# Altium PCB ie-track-kit-pwr-1.PcbDoc (part 2 of 2)
Units mm, origin at the board's own origin, x right, y up, seen from the top; angles counter-clockwise.
Board outline 60.2 x 170.1 mm, 2 copper layers (Top Layer, Bottom Layer), stack 1.571 mm thick; 140 components, 79 nets, 395 pads, 262 vias.
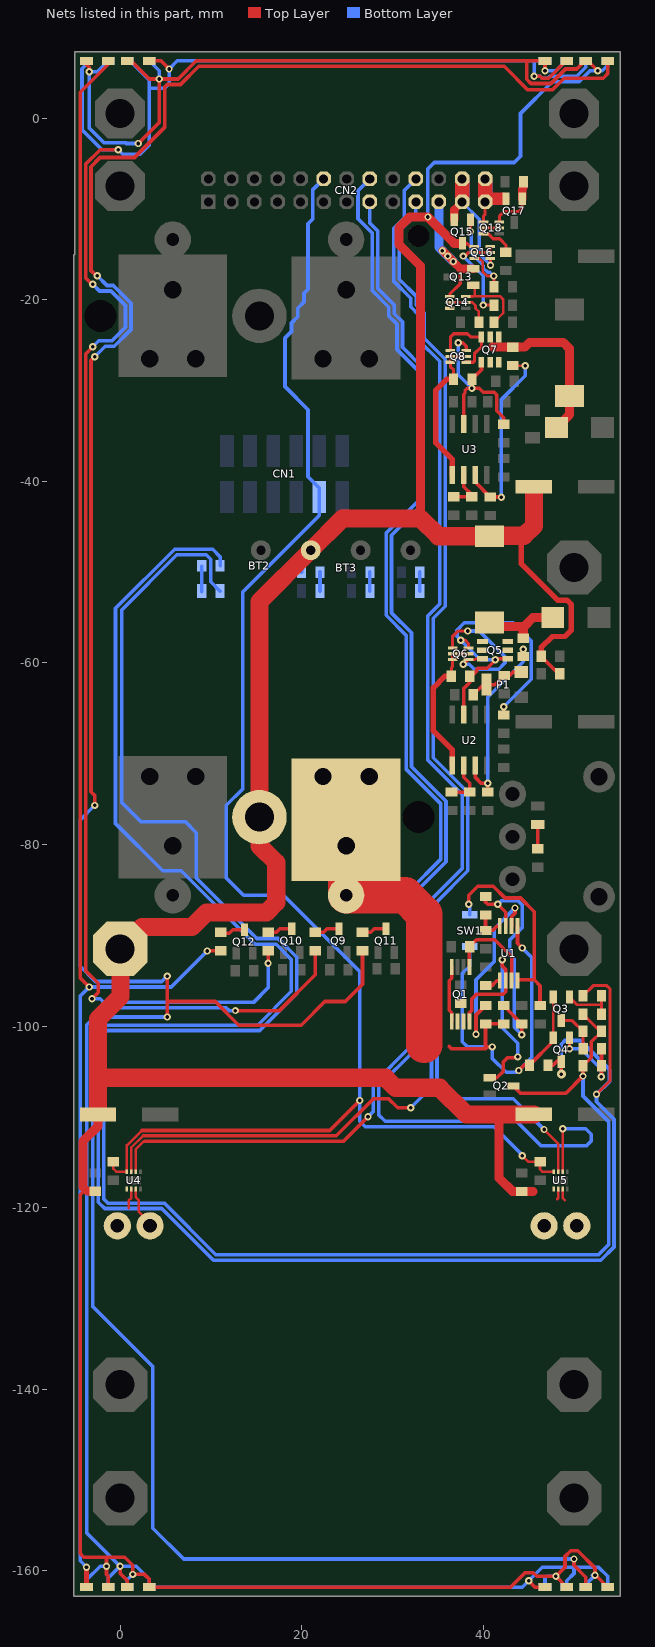
[diagram p2: the nets of this part, all layers, seen from the top]

## Via types
v1: diameter 0.8, hole 0.4, Top Layer to Bottom Layer, tented both sides, 261 vias
v2: diameter 1, hole 0.4, Top Layer to Bottom Layer, tented both sides, 1 vias

## Nets (pads, with @x,y where several pads share a name; then routed paths per layer and width w, separated by ;. In a path a pad name is that pad's centre, name@x,y a point inside that pad or via, vN(x,y) a via of type N, cw(c..) or ccw(c..) an arc to the next point about the centre after c; other vN are vias at no path point) (continued)
NetC1_1: C1.1 C2.2 R3.2 U1.7 | length 27.4
  Top Layer w0.4: C1.1@40.261,-85.745 C1.1@40.25,-85.734 40.25,-86.35 40.5,-86.6 v1(41.6,-86.6) 42.475,-87.475 U1.7@42.475,-89 ; C2.2@42.25,-97.734 42.25,-97.766 R3.2@44.25,-99.766 v1(44.25,-100.95)
  Bottom Layer w0.4: v1(41.6,-86.6) 42,-86.2 43.831,-86.2 44.3,-86.669 44.3,-89.151 42.9,-90.551 42.9,-92.121 43.4,-92.621 43.4,-100.1 v1(44.25,-100.95)
NetC1_2: C1.2 R1.2 U1.8 | length 3.5
  Top Layer w0.4: C1.2@40.25,-87.766 R1.2@40.25,-89.468 41.032,-89.468 41.5,-89 U1.8@41.825,-89
NetC3_2: C3.2 U1.6 | length 21.4
  Top Layer w0.4: v1(39.2,-100.9) 39.2,-98.784 C3.2@40.25,-97.734 ; U1.6@43.125,-89 43.125,-87.948 43.5,-87.573 v1(43.5,-87)
  Bottom Layer w0.4: v1(39.2,-100.9) 39.2,-94.9 41.2,-92.9 41.2,-89.3 v1(43.5,-87)
NetC4_1: C4.1 Q3.3 R7.2 | length 4.8
  Top Layer w0.35: Q3.3@48.6,-99.4 49.784,-99.4 R7.2@50.984,-100.6 51,-100.616 C4.1@51,-102.5
NetC4_2: C4.2 Q4.1 R9.2 | length 9.6
  Top Layer w0.3: v1(49.5,-102.5) Q4.1@49.5,-101.3
  Top Layer w0.4: v1(53,-105.6) 53.016,-105.584 R9.2@53.016,-104.4 53.016,-102.516 C4.2@53.032,-102.5
  Bottom Layer w0.4: v1(49.5,-102.5) 50.751,-102.5 53,-104.749 v1(53,-105.6)
NetC5_1: C5.1 Q3.1 R8.2 | length 5.9
  Top Layer w0.3: Q3.1@49.5,-96.8 49.5,-96.829 50.331,-97.66 52.976,-97.66 53.016,-97.7 ; R8.2@53.016,-98.7 53.016,-97.7 ; C5.1@53.016,-96.675 53.016,-97.7
NetC5_2: C5.2 Q4.3 R10.2 R11.2 | length 220.2
  Top Layer w0.35: C5.2@50.984,-96.675 52.109,-95.55 53.6,-95.55 53.975,-95.925 53.975,-106 52.475,-107.5 v1(52.475,-107.525)
  Top Layer w0.4: R11.2@47.116,-104.3 47.7,-104.3 48.1,-103.9 Q4.3@48.6,-103.9 v2(48.6,-105.3)
  Bottom Layer w0.4: R10.2@11.016,-49.3 11.016,-48.316 10.192,-47.492 6.008,-47.492 -0.5,-54 -0.5,-77.7 4.7,-82.9 6.751,-82.9 14.851,-91 17.197,-91 18.865,-92.668 18.865,-96.183 15.149,-99.9 -1.7,-99.9 -2.4,-100.6 -2.4,-119.4 -1.7,-120.1 4.6,-120.1 10.3,-125.8 52.938,-125.8 54.4,-124.338 54.4,-110.279 52.475,-108.354 v1(52.475,-107.525) 53.9,-106.1 53.9,-104.8 50.7,-101.6 49,-101.6 48.6,-102 v2(48.6,-105.3)
NetC10_2: C10.2 R17.2 U2.3 | length 21.2
  Top Layer w0.4: U2.3@39.135,-71.294 39.135,-72.635 39.75,-73.25 v1(40.5,-73.25) 40.5,-73.984 C10.2@40.75,-74.234 ; R17.2@44.4,-59.316 v1(44.4,-58.5)
  Bottom Layer w0.4: v1(40.5,-73.25) 40.5,-63.782 44.4,-59.882 v1(44.4,-58.5)
NetC11_2: C11.2 R18.1 U2.2 | length 5
  Top Layer w0.4: C11.2@36.75,-74.234 R18.1@38.5,-74.234 38.5,-73.25 37.865,-72.615 U2.2@37.865,-71.294
NetC15_2: C15.2 R27.2 U3.3 | length 21.6
  Top Layer w0.28: R27.2@43.25,-27.266 v1(44.634,-27.266)
  Top Layer w0.4: U3.3@39.135,-39.294 39.135,-40.119 C15.2@40.75,-41.734 v1@42,-41.734 ; v1@42,-42 v1(42,-41.75)
  Bottom Layer w0.4: v1(42,-41.75) 42,-32.282 ; v1(44.634,-27.266) 44.634,-28.366 42,-31 42,-32.25 ; 42,-32.25 41.984,-32.266 42,-32.282 42,-32.25
NetC16_2: C16.2 R29.1 U3.2 | length 4.8
  Top Layer w0.4: C16.2@36.75,-41.718 R29.1@38.734,-41.718 38.75,-41.734 38.75,-41.5 37.865,-40.615 U3.2@37.865,-39.294
NetCN2_21: CN2.21 Q13.2 Q14.4 | length 15
  Top Layer w0.35: Q14.4@36.325,-19.65 36.325,-19.375 37.469,-18.231 37.469,-16.6
  Top Layer w0.9: v1(35.5,-14.6) v1(36.7,-15.8) 36.7,-15.831 37.469,-16.6 Q13.2@38.9,-16.6
  Bottom Layer w1: CN2.21@35.12,-9.24 35.12,-14.22 v1(35.5,-14.6) v1(36.7,-15.8)
  other v1: 36.1,-15.2
NetCN2_23: CN2.23 CN2.24 Q15.2 Q16.4 | length 16.4
  Top Layer w0.35: Q16.4@40.775,-15.45 40.8,-15.475 v1(40.8,-16.2)
  Top Layer w0.9: Q15.2@36.8,-11.2 36.8,-10.1 CN2.23@37.66,-9.24
  Top Layer w1.6: CN2.23@37.66,-9.24 CN2.24@37.66,-6.7
  Bottom Layer w0.35: CN2.23@37.66,-9.24 39.55,-11.13 39.55,-14.95 v1(40.8,-16.2)
  Bottom Layer w1.6: CN2.23@37.66,-9.24 CN2.24@37.66,-6.7
NetCN2_25: CN2.25 CN2.26 Q17.2 Q18.4 | length 9.4
  Top Layer w0.3: CN2.25@40.2,-9.24 CN2.25@40.2,-8.9
  Top Layer w0.35: Q18.4@40.025,-11.45 40.025,-10.775 40.2,-10.6 CN2.25@40.2,-9.24
  Top Layer w1.4: CN2.25@40.2,-8.9 Q17.2@42.2,-8.9
  Top Layer w1.6: CN2.25@40.2,-8.9 CN2.26@40.2,-6.7
  Bottom Layer w1.6: CN2.25@40.2,-9.24 CN2.26@40.2,-6.7
NetD1_1: D1.1 Q2.3 R7.1 R8.1 R9.1 | length 208.2
  Top Layer w0.35: v1@50.741,-105.516 v1(50.984,-105.516) ; R9.1@50.984,-104.4 51.9,-103.484 51.9,-101.716 R7.1@53.016,-100.6 52.884,-100.6 R8.1@50.984,-98.7
  Top Layer w0.4: Q2.3@43.3,-106.6 44.1,-107.4 49.1,-107.4 v1(50.984,-105.516) R9.1@50.984,-104.4
  Bottom Layer w0.4: D1.1@11.016,-52.1 10,-51.084 10,-48.6 9.492,-48.092 6.256,-48.092 0.2,-54.149 0.2,-75.4 2.3,-77.5 7.2,-77.5 8.4,-78.7 8.4,-83.7 15.054,-90.354 17.4,-90.354 19.465,-92.42 19.465,-96.432 15.397,-100.5 -1.451,-100.5 -1.8,-100.849 -1.8,-119.061 -1.361,-119.5 4.849,-119.5 10.549,-125.2 52.69,-125.2 53.8,-124.09 53.8,-110.527 50.984,-107.711 v1(50.984,-105.516)
NetD1_2: D1.2 R10.1 | length 2.8
  Bottom Layer w0.4: D1.2@8.992,-52.187 R10.1@8.992,-49.387
NetD2_1: D2.1 R14.2 | length 2.1
  Bottom Layer w0.4: D2.1@22.016,-52.1 R14.2@22.016,-50
NetD3_2: D3.2 L1.1 Q5.1 Q5.2 Q5.5 Q5.6 R17.1 | length 8.9
  Top Layer w1: L1.1@40.7,-55.55 41.15,-56 44.3,-56 ; R17.1@44.4,-57.284 44.4,-56.1 44.3,-56 ; D3.2@47.66,-55 45.5,-55 44.5,-56 44.3,-56
NetD4_2: D4.2 R21.1 | length 2.7
  Top Layer w0.4: R21.1@46,-80.484 D4.2@46,-77.8
NetD5_1: D5.1 R20.2 | length 2.1
  Bottom Layer w0.4: D5.1@33.016,-52.1 R20.2@33.016,-50
NetD6_1: D6.1 R25.2 | length 2.1
  Bottom Layer w0.4: D6.1@27.516,-52.1 R25.2@27.516,-50
NetD7_2: D7.2 L2.1 Q7.1 Q7.2 Q7.5 Q7.6 R27.1 | length 18.3
  Top Layer w1: 41.016,-25.234 R27.1@43.25,-25.234 44.566,-25.234 45.1,-24.7 48.8,-24.7 49.5,-25.4 L2.1@49.5,-30.6 49.5,-32.66 D7.2@48.06,-34.1
NetD8_1: D8.1 D9.1 D10.1 D11.1 D12.1 D13.1 R30.1 | length 159.7
  Top Layer w0.4: v1(0,-159.5) 0,-160.273 0.8,-161.073 0.8,-161.5 0.5,-161.8 D9.1@0.8,-161.8 ; v1(12.7,-98.3) 17.568,-98.3 21.5,-94.367 R30.1@21.5,-91.716 ; v1(45,-161.1) 45.7,-161.8 D8.1@46.8,-161.8
  Bottom Layer w0.4: D11.1@-1.3,-161.8 -1.3,-160.8 v1(0,-159.5) ; v1(12.7,-98.3) 12,-98.3 11.7,-98 -1.8,-98 -3.661,-99.861 -3.661,-155.839 v1(0,-159.5) ; D13.1@49.2,-161.8 49.2,-161.1 50,-160.3 50,-159.6 ; D12.1@53.7,-161.8 53.7,-160.6 52.7,-159.6 50,-159.6 ; v1(0,-159.5) 1.773,-159.5 3.2,-160.927 D10.1@3.2,-161.8 44.3,-161.8 v1(45,-161.1) 46.5,-159.6 50,-159.6
NetD14_1: D14.1 D15.1 D16.1 D17.1 D18.1 D19.1 R31.1 | length 215.5
  Top Layer w0.4: v1(-3.1,-97) -2.4,-96.3 -2.4,-95.3 -3.8,-93.9 -3.8,-26 v1(-3,-25.2) ; v1(-3,-18.3) -3,-18.4 -3.8,-17.6 -3.8,-5.1 -2.2,-3.5 v1(-0.2,-3.5) ; D15.1@3.2,6.3 4.5,6.3 v1(5.4,5.4) ; v1(16.3,-93.1) R31.1@16.3,-91.716 ; v1(45.6,4.6) 46.269,4.6 46.469,4.4 47.209,4.4 49.109,6.3 D14.1@49.2,6.3
  Bottom Layer w0.4: D16.1@-3.7,6.3 -3.7,5.9 -3.731,5.9 -4.2,5.431 -4.2,-1.3 -2,-3.5 v1(-0.2,-3.5) 0.3,-4 2.2,-4 3.2,-3 3.2,3.3 ; v1(-3.1,-97) -2.2,-97 -1.8,-97.4 14.697,-97.4 16.3,-95.797 v1(16.3,-93.1) ; v1(-3,-25.2) -2.34,-24.54 -0.891,-24.54 0.6,-23.049 0.6,-20.651 -1.011,-19.04 -2.26,-19.04 v1(-3,-18.3) ; D17.1@0.8,6.3 1.1,6.3 3.2,4.2 3.2,3.3 ; 45.391,6.3 6.3,6.3 v1(5.4,5.4) 5.4,3.8 4.9,3.3 3.2,3.3 ; 45.4,6.3 45.6,6.3 ; D18.1@46.8,6.3 45.6,6.3 ; D19.1@51.3,6.3 51.3,5.6 50.3,4.6 48.258,4.6 47.331,4.6 47.131,4.4 46.469,4.4 46.269,4.6 v1(45.6,4.6) 45.6,6.3
NetD20_1: D20.1 D21.1 R35.1 | length 186.7
  Top Layer w0.4: v1(-3.4,-95.7) -4.4,-94.7 -4.4,2.827 -1.3,5.927 D20.1@-1.3,6.3 ; v1(9.6,-91.732) 9.584,-91.716 R35.1@11.1,-91.716
  Top Layer w0.5: D21.1@-3.7,-161.8 v1(-3.7,-159.6)
  Bottom Layer w0.4: v1(-3.7,-159.6) -4.4,-158.9 -4.4,-98.6 -4.4,-96.7 v1(-3.4,-95.7) 5.632,-95.7 v1(9.6,-91.732)
NetD22_1: D22.1 D23.1 R34.1 | length 322.7
  Top Layer w0.4: v1(-2.8,-75.7) -2.8,-74.6 -3.2,-74.2 -3.2,-27.049 -3.2,-26.7 v1(-2.8,-26.3) ; v1(-2.51,-17.376) -2.624,-17.376 -3.2,-16.8 -3.2,-5.349 -2.201,-4.35 1.581,-4.35 4.9,-1.031 4.9,3.4 5.2,3.7 6.649,3.7 8.649,5.7 42.3,5.7 44.9,3.1 47.606,3.1 48.906,4.4 53.2,4.4 53.7,4.9 D22.1@53.7,6.073 ; v1(5.2,-99) 5.2,-97.3 ; v1(5.2,-94.5) 5.2,-97.3 ; R34.1@26.7,-91.716 26.7,-95.4 24.8,-97.3 22.551,-97.3 19.951,-99.9 13.069,-99.9 10.469,-97.3 5.2,-97.3 ; v1(50,-158.7) 50,-159.4 51.3,-160.7 D23.1@51.3,-161.8 ; D22.1@53.7,6.073 53.473,6.3 D22.1@53.7,6.3 D22.1@53.7,6.073
  Bottom Layer w0.4: v1(-2.8,-75.7) -4.4,-77.3 -4.4,-93.427 -2.727,-95.1 4.6,-95.1 v1(5.2,-94.5) ; v1(-2.8,-26.3) -1.64,-25.14 -0.643,-25.14 1.2,-23.297 1.2,-20.402 -0.762,-18.44 -1.446,-18.44 v1(-2.51,-17.376) ; v1(5.2,-99) -1.951,-99 -3,-100.049 -3,-130.9 3.6,-137.5 3.6,-155.3 7,-158.7 v1(50,-158.7)
NetP1_2: P1.2 P1.3 R16.2 R19.1 | length 6.3
  Top Layer w0.4: R19.1@38.9,-63.5 40,-62.4 P1.3@40.368,-62.4 41.284,-62.4 R16.2@42.3,-61.384 42.916,-61.384 43.297,-61.003 P1.2@44.178,-61.003
NetP2_0: P2.0 U4.2 | length 2.2
  Top Layer w0.28: 0.95,-120.05 0.95,-119.225 1.25,-118.925 U4.2@1.25,-117.95
NetP3_0: P3.0 U4.3 | length 5.2
  Top Layer w0.28: U4.3@1.75,-117.95 1.75,-118.875 2.075,-119.2 2.075,-120.475 3.6,-122 P3.0@4,-122
NetP4_0: P4.0 U5.2 | length 1.1
  Top Layer w0.28: 48.15,-119.05 48.25,-118.95 U5.2@48.25,-117.95
NetP5_0: P5.0 U5.3 | length 1.3
  Top Layer w0.28: U5.3@48.75,-117.95 48.75,-118.95 48.975,-119.175
NetQ1_1: Q1.1 Q1.8 | length 6.2
  Top Layer w0.4: Q1.1@36.525,-99.5 36.525,-98.525 36.25,-98.25 36.25,-95 36.525,-94.725 Q1.8@36.525,-93.5
NetQ1_4: Q1.4 Q2.1 U1.2 | length 26.4
  Top Layer w0.4: Q1.4@38.475,-99.5 38.475,-98.525 38.75,-98.25 38.75,-97 39.25,-96.5 42.2,-96.5 42.475,-96.225 U1.2@42.475,-95 42.475,-93.775 42.1,-93.4 v1(42.1,-92.7) ; Q2.1@40.7,-105.7 41.5,-105.7 42.2,-105 42.2,-103.968 42.669,-103.5 43.7,-103.5 v1(43.8,-103.4)
  Bottom Layer w0.4: v1(42.1,-92.7) 42.1,-100.2 43.8,-101.9 v1(43.8,-103.4)
NetQ1_5: Q1.5 R5.1 U1.3 | length 10.6
  Top Layer w0.4: Q1.5@38.475,-93.5 R5.1@38.475,-91.25 ; R5.1@38.516,-91.25 39.266,-90.5 41.25,-90.5 43.125,-92.375 U1.3@43.125,-95
NetQ5_3: Q5.3 Q6.1 Q6.4 | length 16.6
  Top Layer w0.28: v1(37.8,-60.165) 37.86,-60.165 Q6.4@38.375,-59.65 39.05,-59.65 39.15,-59.55 Q5.3@39.9,-59.55
  Top Layer w0.35: Q6.1@36.625,-58.35 36.625,-57.075 37.2,-56.5 v1(38.3,-56.5)
  Bottom Layer w0.4: v1(37.8,-60.165) 38.465,-60.165 39,-60.7 41.7,-60.7 42.4,-60 42.4,-59.327 39.573,-56.5 v1(38.3,-56.5)
NetQ5_4: Q5.4 Q6.6 R12.2 R13.1 U2.7 | length 35.8
  Top Layer w0.35: v1(37.525,-57.5) 38,-57.5 38.375,-57.875 Q6.6@38.375,-58.35
  Top Layer w0.4: U2.7@37.865,-65.706 37.865,-62.826 38.516,-62.175 R13.1@38.516,-61.5 38.638,-61.5 39.3,-60.838 39.3,-60.716 39.416,-60.6 40.454,-60.6 41.327,-59.727 v1(41.327,-59.653) 41.43,-59.55 Q5.4@42.7,-59.55 ; R12.2@42.25,-65.734 v1(42.25,-64.85)
  Bottom Layer w0.35: v1(37.525,-57.5) 39.678,-59.653 v1(41.327,-59.653)
  Bottom Layer w0.4: v1(37.525,-57.5) 37.1,-57.075 37.1,-56.4 37.9,-55.6 43.3,-55.6 45.3,-57.6 45.3,-61.8 v1(42.25,-64.85)
NetQ6_2: Q6.2 Q6.3 Q6.5 R13.2 U2.1 | length 16.2
  Top Layer w0.35: R13.2@36.484,-61.5 36.5,-61.484 36.5,-60.5 36.625,-60.375 Q6.3@36.625,-59.65 Q6.2@36.625,-59 Q6.5@38.375,-59
  Top Layer w0.6: R13.2@36.484,-61.5 35.75,-61.5 34.5,-62.75 34.5,-67.5 36.595,-69.595 U2.1@36.595,-71.294
NetQ7_3: Q7.3 Q8.1 Q8.4 | length 9.2
  Top Layer w0.35: Q8.1@36.375,-25.6 36.375,-24.125 36.75,-23.75 38.25,-23.75 38.6,-24.1 Q7.3@39.8,-24.1 39.8,-25.2 39.025,-25.975 39.025,-26.8 38.925,-26.9 Q8.4@38.125,-26.9
NetQ7_4: Q7.4 Q8.6 R23.2 R24.1 U3.7 | length 21.6
  Top Layer w0.35: v1(37.25,-24.75) 37.75,-24.75 38.125,-25.125 Q8.6@38.125,-25.6 ; 37.858,-31.5 37.858,-30.438 37.975,-30.321 37.975,-30.025 38.25,-29.75 v1(38.75,-29.75)
  Top Layer w0.4: 37.858,-31.5 37.858,-33.699 U3.7@37.865,-33.706 ; Q7.4@39.8,-26.9 39.8,-27.716 R24.1@38.766,-28.75 38.75,-28.766 v1(38.75,-29.75) 39.55,-29.75 40,-30.2 41.2,-30.2 41.5,-30.5 41.5,-32.25 42.25,-33 R23.2@42.25,-33.734
  Bottom Layer w0.35: v1(37.25,-24.75) 37.25,-28.25 v1(38.75,-29.75)
NetQ8_2: Q8.2 Q8.3 Q8.5 R24.2 U3.1 | length 17
  Top Layer w0.35: R24.2@36.734,-28.75 36.734,-27.734 36.375,-27.375 Q8.3@36.375,-26.9 Q8.2@36.375,-26.25 Q8.5@38.125,-26.25
  Top Layer w0.6: U3.1@36.595,-39.294 36.595,-37.595 34.75,-35.75 34.75,-30 36,-28.75 R24.2@36.734,-28.75
NetQ9_3: Q9.3 R30.2 | length 2.8
  Top Layer w0.4: R30.2@21.5,-89.684 22.416,-89.684 22.8,-89.3 Q9.3@24.1,-89.3
NetQ10_3: Q10.3 R31.2 | length 2.8
  Top Layer w0.4: R31.2@16.3,-89.684 17.216,-89.684 17.6,-89.3 Q10.3@18.9,-89.3
NetQ11_3: Q11.3 R34.2 | length 2.8
  Top Layer w0.4: R34.2@26.7,-89.684 27.616,-89.684 28,-89.3 Q11.3@29.3,-89.3
NetQ12_3: Q12.3 R35.2 | length 2.8
  Top Layer w0.4: R35.2@11.1,-89.784 12.016,-89.784 12.4,-89.4 Q12.3@13.7,-89.4
NetQ13_1: Q13.1 Q14.3 R39.2 | length 8.6
  Top Layer w0.28: R39.2@41.184,-22.5 42.2,-21.484
  Top Layer w0.3: Q14.3@38.075,-19.65 38.82,-19.65 38.785,-19.615 39.05,-19.615 ; Q13.1@38.9,-18.4 39.05,-18.55 39.05,-19.615 ; R39.2@41.184,-22.5 R39.2@41.184,-22.486 ; 42.2,-21.484 42.2,-19.978 41.837,-19.615 39.05,-19.615
NetQ14_2: Q14.2 Q14.5 Q14.6 R38.2 | length 5.6
  Top Layer w0.3: Q14.6@36.325,-20.95 Q14.5@36.325,-20.3 Q14.2@38.075,-20.3 38.8,-20.3 39.15,-20.65 39.15,-20.952 39.516,-21.318 R38.2@39.516,-22.5
NetQ15_1: Q15.1 Q16.3 R41.2 | length 11.9
  Top Layer w0.3: v1(38.6,-12.5) Q15.1@38.6,-11.2 ; Q16.3@39.025,-15.45 39.55,-15.45 39.95,-15.85 39.95,-16.95 40.4,-17.4 v1(41.165,-17.4) ; R41.2@41.184,-18.7 R41.2@41.184,-18.6 v1@41.184,-17.786
  Bottom Layer w0.35: v1(38.6,-12.5) 38.675,-12.575 38.675,-14.91 40.025,-16.26 40.025,-16.521 40.479,-16.975 40.74,-16.975 v1(41.165,-17.4)
NetQ16_2: Q16.2 Q16.5 Q16.6 R40.2 | length 11.3
  Top Layer w0.35: v1(37.8,-15.2) 38,-15.2 38.4,-14.8 Q16.2@39.025,-14.8 Q16.5@40.775,-14.8 Q16.6@40.775,-14.15 ; v1(40,-20.6) R40.2@41.184,-20.6
  Bottom Layer w0.35: v1(37.8,-15.2) 40,-17.4 v1(40,-20.6)
NetQ17_1: Q17.1 Q18.3 R43.2 | length 6.5
  Top Layer w0.35: Q18.3@41.775,-11.45 41.775,-10.825 42.3,-10.3 43.9,-10.3 44.3,-9.9 Q17.1@44.3,-8.9
  Top Layer w0.9: Q17.1@44.3,-8.9 44.3,-7.8 44.416,-7.684 R43.2@44.416,-7
NetQ18_2: Q18.2 Q18.5 Q18.6 R42.2 | length 6.2
  Top Layer w0.35: Q18.2@41.775,-12.1 Q18.5@40.025,-12.1 Q18.6@40.025,-12.75 40.55,-12.75 40.875,-13.075 40.875,-13.08 41.095,-13.3 41.8,-13.3 42.5,-14 R42.2@42.5,-14.768
NetR2_1: R2.1 U1.1 | length 1.7
  Top Layer w0.4: R2.1@40.25,-95.532 40.968,-95.532 41.5,-95 U1.1@41.75,-95
NetR4_1: R4.1 SW1.1 U1.4 | length 23.4
  Top Layer w0.4: v1(38.4,-86.6) 38.4,-85.6 39.4,-84.6 41.1,-84.6 42.4,-85.9 44.1,-85.9 45.6,-87.4 45.6,-94.9 ; U1.4@43.775,-95 43.875,-94.9 45.6,-94.9 ; R4.1@46.25,-97.734 46.25,-95.55 45.6,-94.9
  Bottom Layer w0.4: v1(38.4,-86.6) 38.5,-86.7 SW1.1@38.5,-87.75
nSLEEP_LEFT: CN2.20 U4.7 | length 145.9
  Top Layer w0.28: U4.7@1.25,-116.05 1.25,-113.35 2.5,-112.1 2.564,-112.1
  Top Layer w0.4: 2.564,-112.1 23.8,-112.1 27.9,-108 29.573,-108 30.573,-109 v1(32,-109)
  Bottom Layer w0.4: v1(32,-109) 34.3,-106.7 34.3,-86.051 37.7,-82.651 37.7,-74.497 33.9,-70.697 33.9,-54.83 35.2,-53.53 35.2,-26.797 32.9,-24.497 32.9,-21.697 32,-20.797 32,-19.849 30.16,-18.009 30.16,-12.14 31.3,-11 31.3,-7.98 CN2.20@32.58,-6.7
nSLEEP_RIGHT: CN2.19 U5.7 | length 122.3
  Top Layer w0.28: v1(46.7,-111.4) 48.25,-112.95 U5.7@48.25,-116.05
  Bottom Layer w0.4: CN2.19@32.58,-9.24 32.58,-10.62 30.76,-12.44 30.76,-17.76 32.6,-19.6 32.6,-20.549 33.5,-21.449 33.5,-24.249 35.8,-26.549 35.8,-53.779 34.5,-55.079 34.5,-70.449 38.3,-74.249 38.3,-82.9 34.9,-86.3 34.9,-105.8 37.1,-108 43.3,-108 v1(46.7,-111.4)
PACK_GND: BT2.3 BT3.2 C2.1 C3.1 Q1.2 Q1.3 Q3.2 Q4.2 R6.2 R11.1 SW1.2 U1.5 | length 88.3
  Top Layer w0.3: Q4.2@47.7,-101.3 Q3.2@47.7,-96.8
  Top Layer w0.4: 36.25,-102.25 36.5,-102.5 40.25,-102.5 ; v1(41,-102.3) 40.45,-102.3 40.25,-102.5 ; C2.1@42.25,-99.766 C3.1@40.25,-99.766 40.25,-102.5 ; U1.5@43.775,-89 43.775,-90.875 v1(44.3,-91.4) ; v1(43.9,-104.9) 44.5,-104.3 R11.1@45.084,-104.3 47.7,-101.684 Q4.2@47.7,-101.3
  Top Layer w4: BT3.2@24.9,-77.27 BT2.3@24.9,-85.6 31.4,-85.6 33.5,-87.7 33.5,-102.1
  Bottom Layer w0.4: SW1.2@38.5,-91.25 38.5,-93.401 37.7,-94.201 37.7,-101.721 38.278,-102.3 v1(41,-102.3) 41,-103.573 42.527,-105.1 43.7,-105.1 v1(43.9,-104.9) 45.35,-103.45 45.35,-92.45 v1(44.3,-91.4)
PH_LEFT: CN2.16 U4.6 | length 143.4
  Top Layer w0.28: U4.6@1.75,-116.05 1.75,-113.55 2.6,-112.7 2.7,-112.7
  Top Layer w0.4: 2.7,-112.7 24.6,-112.7 v1(27.3,-110)
  Bottom Layer w0.28: v1@27.3,-110.1 v1(27.3,-110)
  Bottom Layer w0.4: v1(27.3,-110) 27.9,-109.4 27.9,-106.351 31.9,-102.351 31.9,-85.057 35.3,-81.657 35.3,-75.491 31.5,-71.691 31.5,-56.949 29.3,-54.749 29.3,-45.7 32.8,-42.2 32.8,-27.791 30.5,-25.491 30.5,-22.691 29.6,-21.791 29.6,-20.843 27.76,-19.003 27.76,-12.66 26.2,-11.1 26.2,-8 CN2.16@27.5,-6.7
PH_RIGHT: CN2.15 U5.6 | length 144
  Top Layer w0.28: U5.6@48.75,-116.05 v1(48.75,-111.325) v1@48.75,-111.25
  Bottom Layer w0.4: CN2.15@27.5,-9.24 27.5,-11.551 28.36,-12.411 28.36,-18.754 30.2,-20.594 30.2,-21.543 31.1,-22.443 31.1,-25.243 33.4,-27.543 33.4,-42.449 29.9,-45.949 29.9,-54.5 32.1,-56.7 32.1,-71.443 35.9,-75.243 35.9,-81.906 32.5,-85.306 32.5,-102.6 28.5,-106.6 28.5,-109.8 29.2,-110.5 43.651,-110.5 46.351,-113.2 51.373,-113.2 51.9,-112.673 51.9,-111.927 51.298,-111.325 v1(48.75,-111.325)
SYSTEM_VCC: C18.2 C21.2 CN1.VCC CN2.12 U4.8 U5.8 | length 177.3
  Top Layer w0.28: C18.2@-0.75,-114.959 -0.75,-115.7 -0.4,-116.05 U4.8@0.75,-116.05 0.75,-113.15 2.4,-111.5 ; v1(44.3,-114.3) 44.959,-114.959 C21.2@46.25,-114.959 46.25,-115.775 46.525,-116.05 U5.8@47.75,-116.05
  Top Layer w0.4: 2.4,-111.5 23.1,-111.5 v1(26.4,-108.2)
  Bottom Layer w0.4: CN2.12@22.42,-6.7 21.2,-7.92 21.2,-11.132 21.032,-11.3 21.032,-11.309 20.7,-11.64 20.7,-18.864 20.259,-19.305 20.259,-20.249 19.573,-20.935 19.573,-21.879 18.886,-22.565 18.886,-23.509 18.16,-24.235 18.16,-29.571 20.7,-32.111 20.7,-39.5 21.935,-40.735 CN1.VCC@21.935,-41.74 21.935,-43.765 13.5,-52.2 13.5,-73.9 11.7,-75.7 11.7,-83.7 13.6,-85.6 18,-85.6 26.4,-94 v1(26.4,-108.2) 26.4,-110.227 26.4,-110.5 27,-111.1 41.182,-111.1 44.382,-114.3 v1(44.3,-114.3)
VMOT: 1.0 BT2.M1 C7.1 C8.2 C17.1 C19.2 C20.1 C22.2 D8.2 D9.2 D10.2 D11.2 D12.2 D13.2 D14.2 D15.2 D16.2 D17.2 D18.2 D19.2 D20.2 D21.2 D22.2 D23.2 L1.2 MH10.1 Q15.3 Q16.1 R14.1 R15.2 U4.1 U5.1 | length 495
  Top Layer w0.35: Q15.3@37.7,-13.8 38.2,-13.8 38.55,-14.15 Q16.1@39.025,-14.15
  Top Layer w0.4: -3.814,-117.986 -4.4,-118.572 -4.4,-158.1 -4,-158.5 -1.5,-158.5 ; D20.2@-3.7,6.3 -3.7,5.9 -3.4,5.6 v1(-3.4,5.1) ; D21.2@-1.3,-161.8 -1.3,-160.6 -1.5,-160.4 v1(-1.5,-159.5) -1.5,-158.5 ; D15.2@0.8,6.3 1.2,6.3 3.2,4.3 v1(4.3,4.3) ; v1(2,-2.8) 4.3,-0.5 v1(4.3,4.3) ; C8.2@46.384,-59.3 48.284,-61.2 R15.2@48.416,-61.2 ; v1(46.8,5.2) D14.2@46.8,6.3 44.8,6.3 ; D8.2@49.2,-161.6 D8.2@49.2,-161.8 v1(48,-160.6) ; v1(52.6,5.2) 51.5,6.3 D22.2@51.3,6.3 51.2,6.3 50.3,5.4 49.058,5.4 47.458,3.8 45.269,3.8 44.8,4.269 44.8,6.3 ; D23.2@53.7,-161.8 52.4,-160.5 v1(52.3,-160.5) 52.3,-159.7 50.4,-157.8 49.627,-157.8 49,-158.427 49,-159.6 v1(48,-160.6) ; -1.5,-158.5 0.5,-158.5 1.4,-159.4 v1(1.4,-160.4) 2.7,-160.4 3.2,-160.9 D9.2@3.2,-161.8 43,-161.8 44.6,-160.2 45.5,-160.2 45.9,-160.6 v1(48,-160.6) ; v1(4.3,4.3) 6.4,4.3 8.4,6.3 44.8,6.3
  Top Layer w0.6: 44.2,-46 44.2,-49.1 48.2,-53.1 49.2,-53.1 49.7,-53.6 49.7,-56.4 49,-57.1 47.6,-57.1 46.384,-58.316 C8.2@46.384,-59.3
  Top Layer w0.9: -4.1,-117.7 -3.814,-117.986 -3.593,-118.207 C19.2@-2.75,-118.207
  Top Layer w1: -4.1,-117.7 -4.1,-112.7 -2.429,-111.029 C20.1@-2.429,-109.75 ; 33.1,-44.1 33.1,-16.3 30.7,-13.9 30.7,-12.1 31.9,-10.9 v1(33.9,-10.9) 36.8,-13.8 Q15.3@37.7,-13.8 ; 41.75,-109.75 41.75,-116.75 43.216,-118.216 C22.2@44.25,-118.216 45.5,-118.216 ; C17.1@44.5,-109.75 44.55,-109.7 C17.1@45.571,-109.7
  Top Layer w2: C20.1@-2.429,-109.75 -2.429,-105.7 ; C17.1@45.571,-109.75 44.5,-109.75 41.75,-109.75 38.15,-109.75 35.2,-106.8 30.353,-106.8 29.253,-105.7 -2.429,-105.7 ; C7.1@45.571,-40.9 45.571,-44.929 44.5,-46 44.2,-46 40.75,-46 L1.2@40.7,-46.05 35.05,-46.05 33.1,-44.1 24.5,-44.1 1.0@21,-47.6 15.35,-53.25 BT2.M1@15.35,-76.99 15.35,-80.15 17.2,-82 17.2,-86.4 16.1,-87.5 9.5,-87.5 7.9,-89.1 2.4,-89.1 MH10.1@0,-91.5 0.06,-91.56 0.06,-96.74 -2.429,-99.229 -2.429,-105.7
  Bottom Layer w0.4: D11.2@-3.7,-161.8 -3.7,-161 -2.2,-159.5 v1(-1.5,-159.5) ; D16.2@-1.3,6.3 -2.5,5.1 v1(-3.4,5.1) -3.4,0.4 -3.4,-1.1 -1.8,-2.7 0.6,-2.7 0.7,-2.8 v1(2,-2.8) ; D10.2@0.8,-161.8 0.8,-161 v1(1.4,-160.4) ; D17.2@3.2,6.3 4.3,5.2 v1(4.3,4.3) ; R14.1@19.984,-50 19.984,-48.616 1.0@21,-47.6 ; v1(33.9,-10.9) 33.9,-5.6 34.6,-4.9 43.4,-4.9 44.1,-4.2 44.1,0.5 47.6,4 50.549,4 51.749,5.2 v1(52.6,5.2) 53.1,5.2 53.7,5.8 D19.2@53.7,6.3 ; D13.2@46.8,-161.8 46.8,-160.8 47,-160.6 v1(48,-160.6) ; v1(46.8,5.2) 48.009,5.2 49.109,6.3 D18.2@49.155,6.255 ; D12.2@51.3,-161.8 51.3,-161.5 52.15,-160.65 52,-160.5 v1(52.3,-160.5)
pads on no net: BT2.M2 BT2.M3 BT2.M4 BT2.M5 SW1.M0 SW2.1 U2.8 U3.8

## Polygon pours and split planes (outlines as drawn)
GND on Top Layer "GND" (solid, remove dead copper, pour order 0): -4.6,6.7 54.6,6.7 54.6,-162.2 -4.6,-162.2
GND on Bottom Layer "GND" (solid, remove dead copper, pour order 2): -4.6,6.7 54.6,6.7 54.6,-162.2 -4.6,-162.2

## Other copper
Top Layer:
  rectangle net NetD3_2: 39.3,-58.95 43.3,-57.3
  rectangle net 5V0: 42.9,-32.9 46.3,-28.3
  rectangle net 7V2_SW: 43.3,-38 46.3,-34.5
  rectangle net NetD7_2: 40.4,-27.5 42.05,-23.5
  rectangle net NetP4_0: 44.4,-123.6 48.375,-118.925
  region net NetP5_0: 52.6,-118.925 48.625,-118.925 48.625,-123.6 52.6,-123.6
  rectangle net VMOT: 43.625,-118.725 47.9,-117.7
  rectangle net GND: 45.75,-117.5 50.025,-116.5
  rectangle net GND: 49.75,-118.725 52.75,-115
  rectangle net GND: 49.1,-118.725 49.8,-117.425
  rectangle net GND: 2.1,-118.725 2.8,-117.425
  rectangle net GND: 2.75,-118.725 5.75,-115
  rectangle net GND: -1.25,-117.5 3.025,-116.5
  rectangle net VMOT: -3.375,-118.725 0.9,-117.7
  region net NetP3_0: 5.6,-118.925 1.625,-118.925 1.625,-123.6 5.6,-123.6
  rectangle net NetP2_0: -2.6,-123.6 1.375,-118.925
  rectangle net PACK_GND: 36.95,-101.3 38.05,-97
  region net GND: 38.05,-92.25 36.95,-92.25 36.95,-96 38.05,-96
  rectangle net PACK_GND: 31.5,-104.175 38.05,-100.75
  rectangle net 7V2_SW: 44,-70.25 47,-65.5
  region net NetD3_2: 39.1,-56.7 39.1,-57.1 39.4,-57.4 42.3,-57.4 42.3,-56.7
  pour cut-out: 48.373,-136.246 48.369,-136.25 44.75,-136.25 44.75,-142.75 48.369,-142.75 48.373,-142.754
  text "TOP" at 45.25,-138.25 h1 r270
Bottom Layer:
  region net NetBT1_2: 1.4,-23.6
  text "IE-TRACK-KIT-PWR-1, V1.3  -  BOTTOM" at -2.4,-70 h1 r270

## Silkscreen, mask and mechanical layers (free items; w line width, h text height)
Top Overlay:
  text "." at 3.841,-33.4 h7.5
  text "," at 22.941,-33.4 h7.5
  text "," at 7.759,-65.58 h7.5 r180
  text "." at 26.859,-65.58 h7.5 r180
  text "OFF" at 40.9,-83.4 h2 r90
  text "B" at -1.4,-126 h2
  text "R" at 2.2,-126 h2
  text "B" at 45.592,-126 h2
  text "R" at 49.2,-126 h2
Bottom Overlay:
  rectangle: 14.8,-5 44.8,6.2
  region: 13,-45.5 13,-49.7 13.5,-49.7 13.5,-45.5
  region: 17.5,-45.5 17.5,-49.7 18,-49.7 18,-45.5
  region: 13,-45.5 13,-46 18,-46 18,-45.5
  region: 18.5,-45.5 18.5,-46 23.5,-46 23.5,-45.5
  region: 36.55,-92.1 36.55,-93 41.55,-93 41.55,-92.1
  region: 36.65,-86 36.65,-86.9 41.65,-86.9 41.65,-86
  region: 7.5,-50.3 7.5,-54 8,-54 8,-50.3
  region: 7.5,-50.3 7.5,-50.8 12.5,-50.8 12.5,-50.3
  region: 12,-50.3 12,-53.5 12.5,-53.5 12.5,-50.3
  region: 23,-45.5 23,-54 23.5,-54 23.5,-45.5
  region: 18.5,-45.5 18.5,-54 19,-54 19,-45.5
  region: 28.5,-45.5 28.5,-54 29,-54 29,-45.5
  region: 24,-45.5 24,-46 29,-46 29,-45.5
  region: 24,-45.5 24,-54 24.5,-54 24.5,-45.5
  region: 29.5,-45.5 29.5,-54 30,-54 30,-45.5
  region: 29.5,-45.5 29.5,-46 34.5,-46 34.5,-45.5
  region: 34,-45.5 34,-54 34.5,-54 34.5,-45.5
  lines w0.2: 14.8,-132.6 15.1,-132.3 25.7,-132.3 25.7,-157.1 15.2,-157.1 ; 31.65,-131.75 31.65,-104.5 ; 5.9,-157.1 5.9,-94.1 14.1,-94.1 14.1,-157.1 5.9,-157.1
  lines w0.4: 7.7,-68.5 15.4,-68.5 ; 10.8,-70 11.6,-69.2 ; 12.4,-70 11.6,-69.2 ; 16.9,-66.9 16.1,-66.1 ; 16.9,-65.3 16.1,-66.1 ; 16.9,-63.3 16.1,-62.5 ; 16.9,-61.7 16.1,-62.5 ; 16.9,-59.5 16.1,-58.7 ; 16.9,-57.9 16.1,-58.7 ; 16.9,-55.9 16.1,-55.1 ; 16.9,-54.3 16.1,-55.1 ; 18,-66.1 16.1,-66.1 ; 18,-62.5 16.1,-62.5 ; 18,-58.7 16.1,-58.7 ; 18,-55.1 16.1,-55.1 ; 26.4,-157 26.4,-94.2 ; 33.45,-90.3 34.25,-89.5 ; 33.45,-88.7 34.25,-89.5 ; 35.8,-52.9 35,-52.1 ; 35.8,-51.3 35,-52.1 ; 36.5,-72.4 38.5,-72.4 ; 37.5,-72.4 37.5,-52.1 35,-52.1 ; 40.9,-157 40.9,-94.2 ; 11.6,-69.2 11.6,-78.8 22.3,-89.5 34.25,-89.5
  text "ID Number:" at 5.1,-1 h2 r180
  text "!" at 15,-1.1 h10
  text "GND" at 18,-51.5 h2
  text "BATTERY ERROR" at 7.5,-63 h2 r270
  text "MOTORS / 3V3" at 18.5,-63.4 h2 r270
  text "LOGIC / 5V0" at 24,-63.4 h2 r270
  text "BATTERY / 7V2" at 29.5,-63.4 h2 r270
  text "? problems ?" at 13,-67.7 h2 r270
  text "r" at 7.5,-68 h7.5 r270
  text "u" at 18.5,-68 h6.2 r270
  text "u" at 24,-68 h6.2 r270
  text "u" at 29.5,-68 h6.2 r270
  text "... check ..." at 37.5,-68.5 h2 r270
  text "OFF  |  ON" at 36.1,-85.4 h2 r270
  text "POWER" at 38.7,-85.4 h2 r270
  text "RESET" at 34.75,-93 h2 r270
  text "8" at 40.15,-93 h6.2 r270
  text "A" at 14.65,-104 h11 r270
  text "B" at 27,-104 h11 r270
  text "v1.3 - 20180920" at 41.9,-108.4 h1 r270
  text "y" at 5.9,-115.8 h9 r270
  text "t" at 5.9,-129.7 h13.5 r270
  text "Kociolek, Karol Kropidlowski" at 27.4,-131.5 h1.9 r270
  text "Pawel Poryzala, Marcin" at 29.4,-131.5 h1.9 r270
  text "http://mipsa.p.lodz.pl" at 32.9,-131.5 h1.9 r270
  text "http://eletel.p.lodz.pl" at 34.9,-131.5 h1.9 r270
  text "Lodz University of Technology" at 36.9,-131.5 h1.9 r270
  text "Institute of Electronics" at 38.9,-131.5 h1.9 r270
  text "https://goo.gl/Hp3Q52" at 14.6,-131.8 h2 r270
  text "x" at 18.302,-131.8 h15 r270
  text "k" at 29.4,-144.1 h12.5 r270
  text "\" at 5.9,-144.2 h11 r270
  text "SKN MIPSA" at 27.9,-145.25 h1.9 r270
  text "z" at 5.9,-152.1 h13 r270
  text "IE PL" at 27.9,-153.4 h1.9 r270
  text "Supported by:" at 5.9,-153.6 h1.6 r180
  text "e" at 29.4,-155 h14.7 r270
  text "Project developed  by:" at 38.9,-156 h1.9 r270
  text "IE-TRACK-KIT-PWR-1" at 41.9,-156 h2 r270
  text "v" at 16.8,-157 h9.3 r270
  text "Supported  / and manufactured by:" at 22,-157.1 h1.8 r270
  text "www.bazeko.pl" at 14.6,-157.2 h2 r270
Mechanical 2:
  circle w0.2: c50,-10 r0.707
  circle w0.2: c50,0 r0.707
  circle w0.2: c50,-130 r0.707
  circle w0.2: c0,-130 r0.707
  circle w0.2: c0,-10 r0.707
  circle w0.2: c0,0 r0.707
  lines w0.2: -5,-155 -5,5 55,5 55,-155 -5,-155
Mechanical 3:
  the board outline again, w0.254
  text "M3x8" at -19,-1.7 h5
  text "M3x8" at 56,-1.7 h5
  text "M3x10" at -19,-9.24 h5
  text "M3x10" at 56,-9.24 h5
  text "M3x14" at 57,-51 h5
  text "M3x14" at -20,-92.7 h5
  text "M3x14" at 57,-93.5 h5
  text "M3x10" at -20,-141 h5
  text "M3x10" at 57,-141 h5
  text "TDYSFM-M3/35" at 57,-153 h5
  text "TDYSFM-M3/35" at -37,-154 h5
Mechanical 15:
  lines w0.2: -29.5,-160 4,-160 ; -29.5,-117.5 4,-117.5 ; -29.5,-81 4,-81 ; -29.5,-45 4,-45 ; -29.5,0 4,0
  lines w0.254: 0,-173 50,-173 ; 0,-143 50,-143 ; 0,-139.5 50,-139.5 ; 0,-138 0,-152 50,-152 50,-136.5 ; 0,12 50,12
  text "dlugosc plytki w oryginalnej wersji 1.1" at 9.2,12.5 h1
  text "os przednia" at -29,1 h1.52
  text "os 1" at -29,-44 h1.52
  text "os 2" at -29,-80 h1.52
  text "os 3" at -29,-116.5 h1.52
  text "nowy projekt - silniki - v1.2" at 11,-139 h1
  text "oryginalny projekt - dodatkowe - v1.1" at 8.7,-142.4 h1
  text "oryginalny projekt - silniki - v1.1" at 8.7,-151.4 h1
  text "os tylna" at -29,-159 h1.52
  text "dlugosc plytki w oryginalnej wersji 1.1" at 9.2,-172.5 h1
Drill Drawing:
  circle w0.254: c-74.808,-152.982 r0.847
  lines w0.254: -75.655,-157.639 -74.808,-157.215 -73.961,-157.639 -74.385,-156.792 -73.961,-155.945 -74.808,-156.369 -75.655,-155.945 -75.231,-156.792 -75.655,-157.639 ; -75.655,-150.019 -75.655,-149.595 -75.231,-149.172 -75.655,-148.749 -75.655,-148.325 -75.231,-148.325 -74.808,-148.749 -74.385,-148.325 -73.961,-148.325 -73.961,-148.749 -74.385,-149.172 -73.961,-149.595 -73.961,-150.019 -74.385,-150.019 -74.808,-149.595 -75.231,-150.019 -75.655,-150.019 ; -75.655,-145.785 -75.231,-145.785 -74.808,-146.209 -74.385,-145.785 -73.961,-145.785 -74.385,-145.362 -73.961,-144.939 -74.385,-144.939 -74.808,-144.515 -75.231,-144.939 -75.655,-144.939 -75.231,-145.362 -75.655,-145.785 ; -75.655,-142.399 -73.961,-142.399 -73.961,-140.705 -75.655,-140.705 -75.655,-142.399 ; -75.655,-138.165 -75.231,-138.165 -75.231,-138.589 -74.385,-138.589 -74.385,-138.165 -73.961,-138.165 -73.961,-137.319 -74.385,-137.319 -74.385,-136.895 -75.231,-136.895 -75.231,-137.319 -75.655,-137.319 -75.655,-138.165 ; -75.655,-134.779 -73.961,-134.779 -73.961,-133.085 -75.655,-133.085 -75.655,-134.779 ; -75.655,-130.122 -74.808,-130.969 -73.961,-130.122 -74.808,-129.275 -75.655,-130.122 ; -75.316,-157.3 -74.808,-157.046 -74.3,-157.3 -74.554,-156.792 -74.3,-156.284 -74.808,-156.538 -75.316,-156.284 -75.062,-156.792 -75.316,-157.3 ; -75.316,-142.06 -74.3,-142.06 -74.3,-141.044 -75.316,-141.044 -75.316,-142.06
  lines w0.381: -77.173,-158.782 -28.468,-158.782 ; -77.173,-128.302 -28.468,-128.302 ; -63.181,-162.592 -63.181,-124.492 ; -47.945,-162.592 -47.945,-124.492 ; -77.173,-162.592 -28.468,-162.592 -28.468,-124.492 -77.173,-124.492 -77.173,-162.592
  text "Symbol" at -74.887,-127.159 h1.83
  text "Count" at -62.038,-127.159 h1.83
  text "Hole Size" at -46.802,-127.159 h1.83
  text "262" at -62.038,-130.969 h1.52
  text "0,40mm" at -46.802,-130.969 h1.52
  text "1" at -62.038,-134.779 h1.52
  text "0,80mm" at -46.802,-134.779 h1.52
  text "30" at -62.038,-138.589 h1.52
  text "1,00mm" at -46.802,-138.589 h1.52
  text "11" at -62.038,-142.399 h1.52
  text "1,50mm" at -46.802,-142.399 h1.52
  text "14" at -62.038,-146.209 h1.52
  text "1,90mm" at -46.802,-146.209 h1.52
  text "1" at -62.038,-150.019 h1.52
  text "2,40mm" at -46.802,-150.019 h1.52
  text "13" at -62.038,-153.829 h1.52
  text "3,20mm" at -46.802,-153.829 h1.52
  text "2" at -62.038,-157.639 h1.52
  text "3,50mm" at -46.802,-157.639 h1.52
  text "334 Total" at -62.038,-161.449 h1.52

## Dimensions
-5.1,-162.8 to 55.1,-15.1 on Mechanical 1
-5,7.3 to -5.1,-162.8 on Mechanical 1

## Text inside footprints (layer, text, board x,y; h text height)
BT2: Top Overlay "+" at 8.14,-80.49 h5 r90; Top Overlay "l" at 3.45,-18.29 h5 r270; Top Overlay "l" at 27.25,-80.29 h5 r90; Top Overlay "+" at 22.56,-18.29 h5 r270